# Altium PCB LimePSB-RPCM_1v3.PcbDoc (part 8 of 10) (continued)
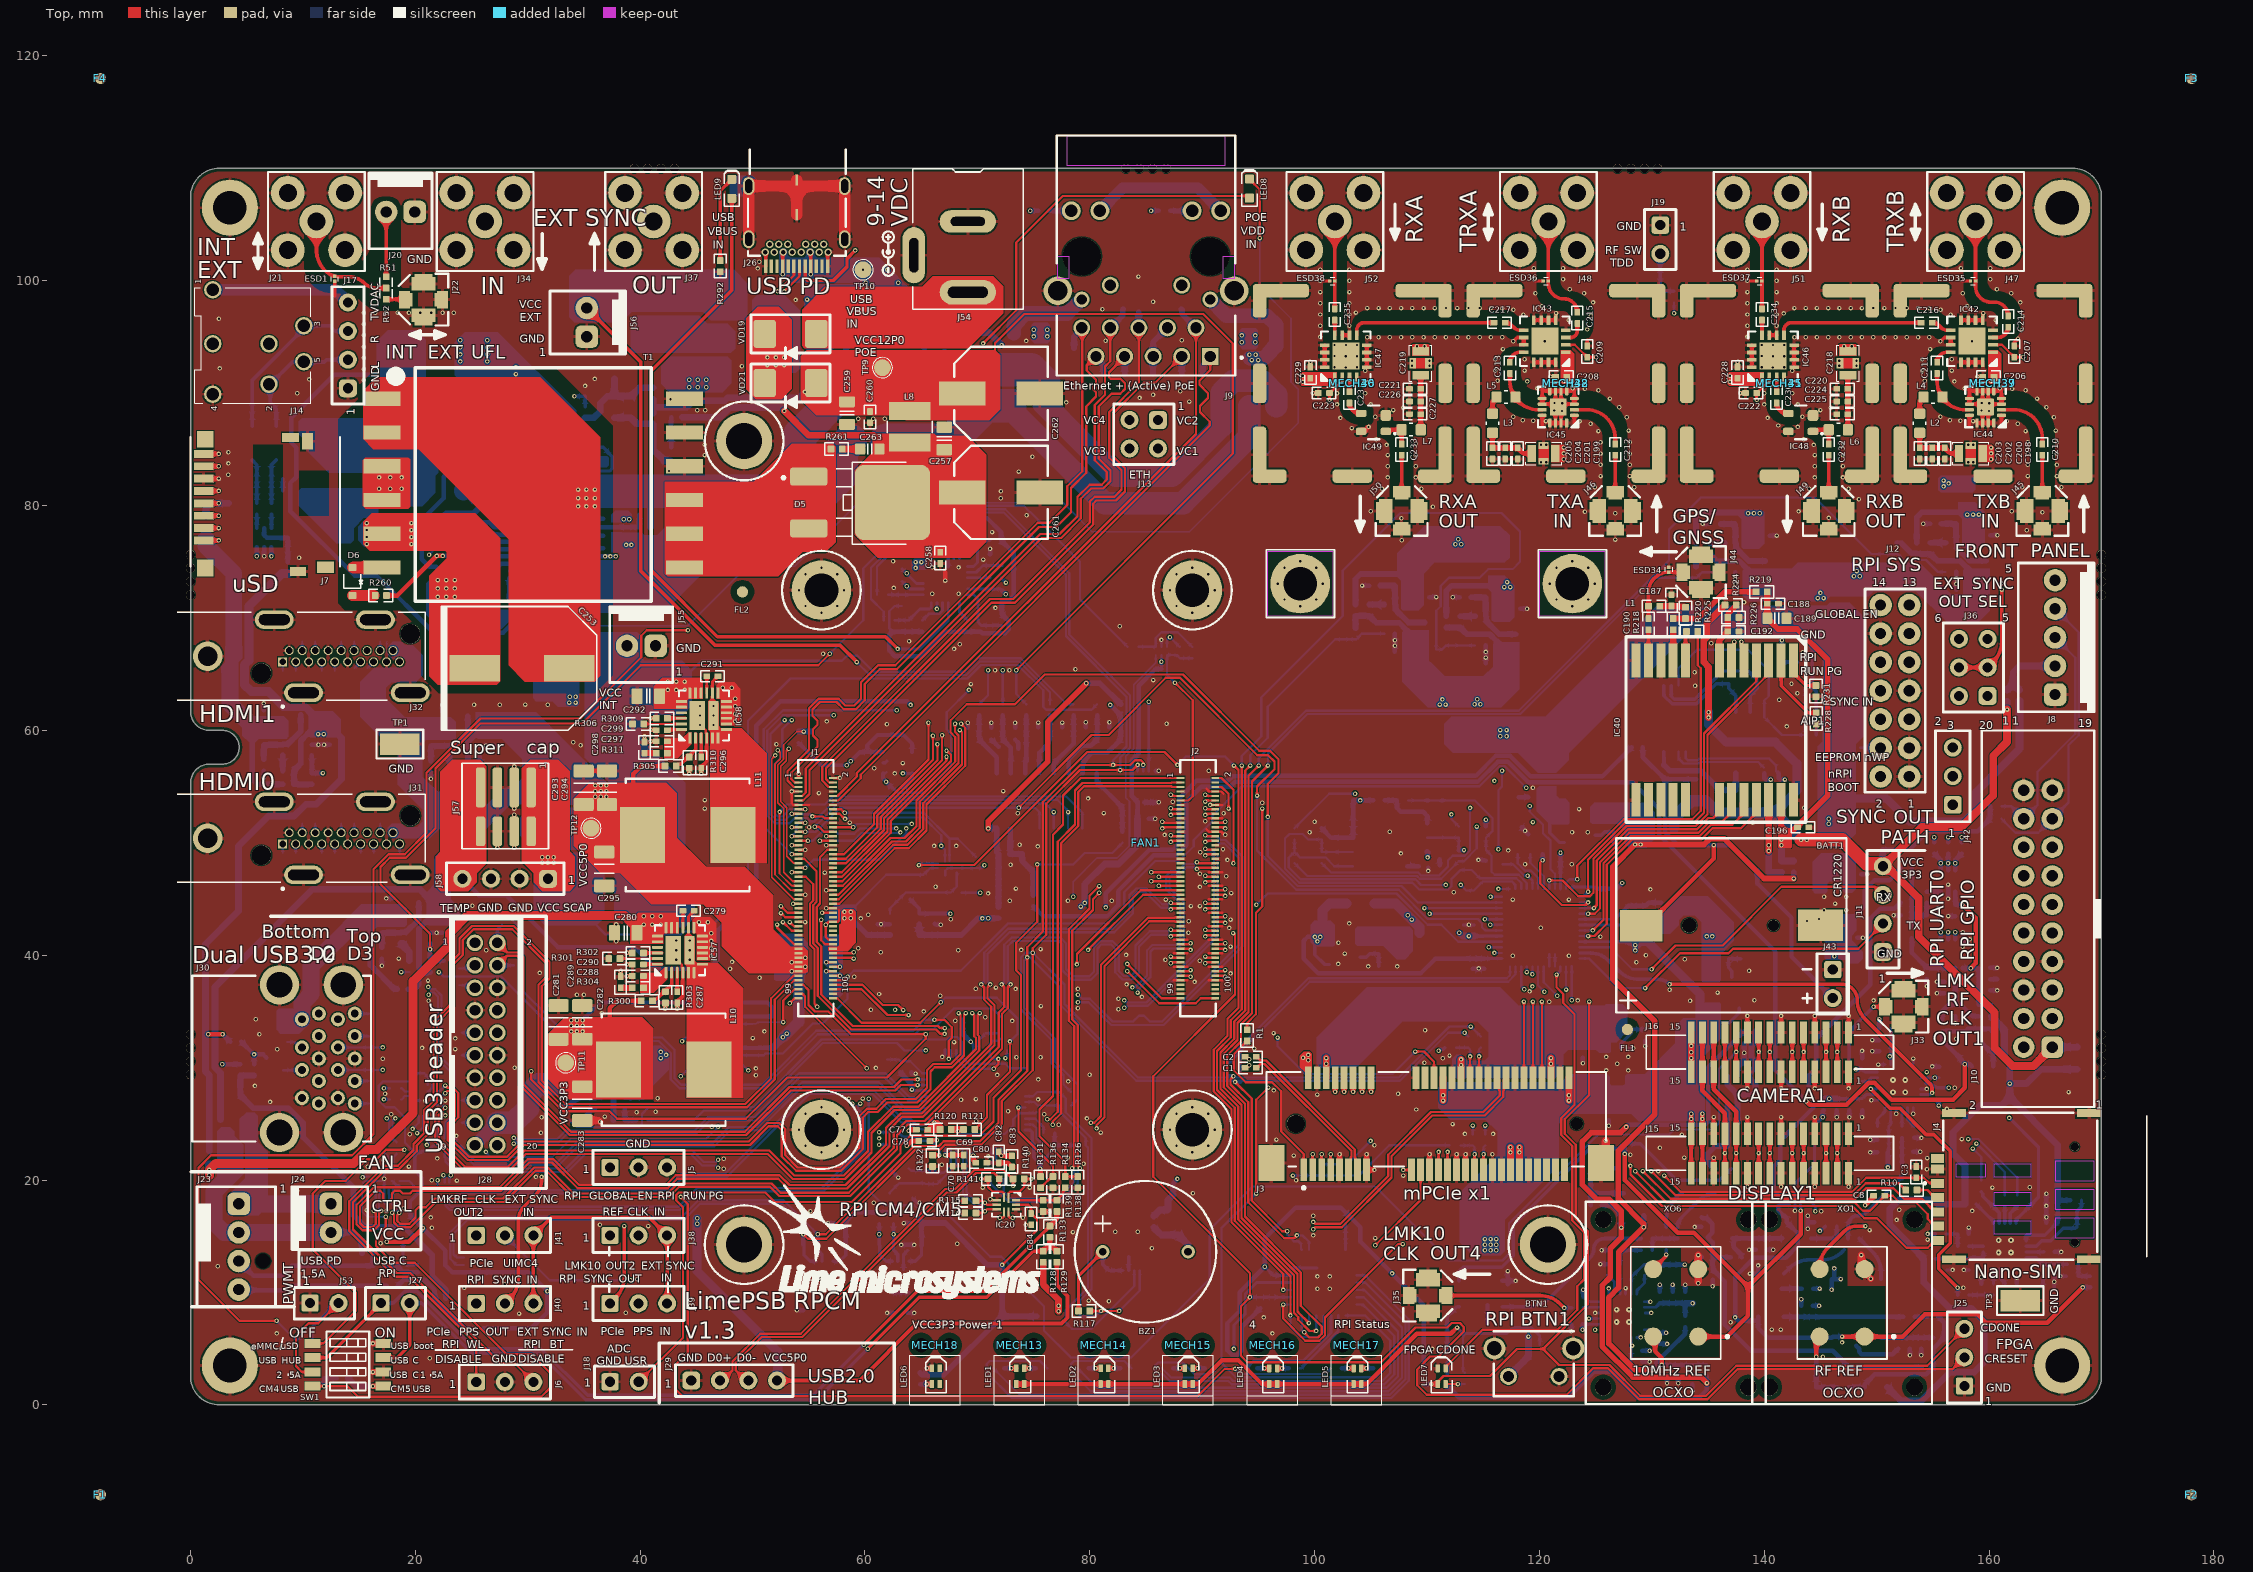
[diagram p0: Top view]
## Nets (pads, with @x,y where several pads share a name; then routed paths per layer and width w, separated by ;. In a path a pad name is that pad's centre, name@x,y a point inside that pad or via, vN(x,y) a via of type N, cw(c..) or ccw(c..) an arc to the next point about the centre after c; other vN are vias at no path point) (continued)
USB_CC2: C277.1 IC56.14 J26.B5 | length 55.4
  L3 w0.1: J26.B5@53.125,103.245 55.205,105.325 65.408,105.325 68.283,102.45 70.133,102.45 72.425,100.158 72.425,96.925 71.2,95.7 71.2,89.417 64.066,82.283 64.066,73.175 v1(63.714,72.823)
  Bottom w0.25: C277.1@63.291,73.245 63.341,73.245 63.466,73.12 63.466,73.07 v1(63.714,72.823) 63.961,72.575 IC56.14@65.184,72.575
USB_HUB_CFG_SEL0: IC19.41 IC21.6 IC22.6 R132.1 R137.2 R143.1 | length 33.7
  Bottom w0.2: IC19.41@74.25,26.95 75.05,26.95 75.375,26.625 R143.1@77.35,26.625 77.35,26.05 79.65,23.75 R132.1@79.65,23.1 79.85,22.9 79.85,10.425 77.835,8.41 IC21.6@77.835,7.875 77.835,7.34 78.4,6.775 80.15,6.775 83.95,10.575 IC22.6@83.95,11.95
USB_HUB_CFG_SEL1: IC19.42 R131.1 R136.1 | length 9.5
  Top w0.2: v1(73.65,26.45) 73.65,24.325 76.731,21.244 R136.1@76.731,20.35 ; R131.1@75.625,19.306 76.625,20.306 R136.1@76.725,20.306
  Bottom w0.2: v1(73.65,26.45) IC19.42@74.25,26.45
USB_HUB_CFG_SEL2: IC19.13 R130.1 R135.2 | length 4
  Bottom w0.2: R135.2@61.975,30.725 R130.1@62.925,30.725 ; R130.1@63,30.725 63.15,30.575 64.025,30.575 65.1,29.5 65.45,29.5 IC19.13@65.5,29.45
USB_HUB_D0_N: IC19.58 IC20.4 J29.3 R115.1 R141.1 | length 45.2
  Top w0.2: J29.3@49.63,1.938 48.509,3.059 48.509,3.735 50.799,6.025 54.399,6.025 67.274,18.9 68.149,18.9 69.874,20.625 71.481,20.625 71.95,20.156 R141.1@71.95,20.106 v1(71.95,19.475) ; R115.1@69.875,18.15 70.475,18.15 70.65,17.975 v1(70.675,17.975) 70.85,17.8 IC20.4@71.725,17.8
  L3 w0.1: v1(70.675,17.975) 70.7,17.95 71.717,17.95 72.575,18.808 72.575,19.275 72.375,19.475 v1(71.95,19.475)
  Bottom w0.2: IC19.58@69.125,22.825 69.075,22.775 69.075,22.395 69.025,22.345 69.025,18.924 70.199,17.75 70.45,17.75 v1(70.675,17.975)
USB_HUB_D0_P: IC19.59 IC20.5 J29.2 R114.1 R140.1 | length 47.7
  Top w0.2: J29.2@47.088,1.938 48.209,3.059 48.209,3.859 50.675,6.325 54.275,6.325 67.15,19.2 68.025,19.2 69.75,20.925 72.3,20.925 73.175,20.05 v1(73.175,19.475) ; R114.1@69.877,17.063 70.477,17.063 70.64,17.225 v1(70.675,17.225) 70.85,17.4 IC20.5@71.725,17.4
  L3 w0.1: v1(70.675,17.225) 71.275,17.225 73.175,19.125 v1(73.175,19.475)
  Bottom w0.2: IC19.59@68.625,22.825 68.675,22.775 68.675,22.395 68.725,22.345 68.725,18.8 70.075,17.45 70.45,17.45 v1(70.675,17.225)
USB_HUB_D1_N: IC19.1 R119.2 | length 2.7
  Bottom w0.2: R119.2@62.975,23.15 63.375,23.55 65.02,23.55 65.07,23.5 65.45,23.5 IC19.1@65.5,23.45
USB_HUB_D1_P: IC19.2 R116.2 | length 2.7
  Bottom w0.2: R116.2@62.975,24.25 63.375,23.85 65.02,23.85 65.07,23.9 65.45,23.9 IC19.2@65.5,23.95
USB_HUB_D2_N: IC19.3 IC25.5 | length 46.8
  Bottom w0.2: IC25.5@23.675,18.75 24.075,18.75 24.125,18.8 42.349,18.8 43.824,20.275 47.699,20.275 55.074,27.65 60.701,27.65 63.226,25.125 63.925,25.125 64.5,24.55 65.02,24.55 65.07,24.5 65.45,24.5 IC19.3@65.5,24.45
USB_HUB_D2_P: IC19.4 IC25.4 | length 46.8
  Bottom w0.2: IC25.4@23.675,19.15 24.075,19.15 24.125,19.1 42.225,19.1 43.7,20.575 47.575,20.575 54.95,27.95 60.825,27.95 63.35,25.425 64.049,25.425 64.624,24.85 65.02,24.85 65.07,24.9 65.45,24.9 IC19.4@65.5,24.95
USB_HUB_D3_N: IC19.6 IC26.5 | length 46.3
  Bottom w0.2: IC26.5@23.675,22.675 23.901,22.675 24.113,22.463 24.538,22.038 25.226,21.35 32.799,21.35 34.449,23 46.6,23 48.025,24.425 50.55,24.425 54.525,28.4 61.126,28.4 63.476,26.05 65.02,26.05 65.07,26 65.45,26 IC19.6@65.5,25.95
USB_HUB_D3_P: IC19.7 IC26.4 | length 46.4
  Bottom w0.2: IC26.4@23.675,23.075 24.043,23.075 24.26,22.858 24.26,22.74 25.35,21.65 32.675,21.65 34.325,23.3 46.476,23.3 47.901,24.725 50.426,24.725 54.401,28.7 61.25,28.7 63.6,26.35 65.02,26.35 65.07,26.4 65.45,26.4 IC19.7@65.5,26.45
USB_HUB_D4_N: IC19.8 J30.2 VD14.A | length 73.9
  L3 w0.1: J30.2@9.91,31.8 9.91,31.56 9.25,30.9 8.842,30.9 8.5,30.558 8.5,26.892 11.025,24.367 11.025,22.667 14.792,18.9 24.65,18.9 28.425,22.675 28.425,22.925 v1(28.75,23.25)
  Bottom w0.2: VD14.A@8.575,32.275 9.268,32.275 9.743,31.8 J30.2@9.91,31.8 ; v1(28.75,23.25) 28.85,23.35 32.749,23.35 33.474,24.075 44.95,24.075 46.175,25.3 50.349,25.3 54.249,29.2 61.701,29.2 63.851,27.05 65.02,27.05 65.07,27 65.45,27 IC19.8@65.5,26.95
USB_HUB_D4_P: IC19.9 J30.3 VD15.A | length 74
  L3 w0.1: J30.3@9.91,29.8 9.91,30.04 9.25,30.7 8.925,30.7 8.7,30.475 8.7,30.225 8.875,30.05 8.875,29.775 8.7,29.6 8.7,29.35 8.9,29.15 8.9,28.925 8.7,28.725 8.7,26.975 11.225,24.45 11.225,22.75 14.875,19.1 24.567,19.1 28.225,22.758 28.225,23.008 28.4,23.183 28.4,23.4 v1(28.75,23.75)
  Bottom w0.2: VD15.A@8.25,29.775 9.885,29.775 J30.3@9.91,29.8 ; v1(28.75,23.75) 28.85,23.65 32.625,23.65 33.35,24.375 44.826,24.375 46.051,25.6 50.225,25.6 54.125,29.5 61.825,29.5 63.975,27.35 65.02,27.35 65.07,27.4 65.45,27.4 IC19.9@65.5,27.45
USB_HUB_D5_N: IC19.11 J28.4 VD10.A | length 55.1
  Top w0.2: J28.4@27.3,39.1 28.15,39.95 29.05,39.95 29.325,39.675 29.325,28.4 33.725,24 49.425,24 53.4,27.975 57.5,27.975 62.7,27.975 63.175,28.45 v1(64.675,28.45)
  Bottom w0.2: J28.4@27.3,39.1 28.75,39.1 VD10.A@28.775,39.075 ; v1(64.675,28.45) IC19.11@65.5,28.45
USB_HUB_D5_P: IC19.12 J28.2 VD11.A | length 55.5
  Top w0.2: J28.2@27.3,41.1 28.15,40.25 29.174,40.25 29.625,39.799 29.625,28.524 33.849,24.3 49.301,24.3 53.276,28.275 62.575,28.275 63.25,28.95 v1(64.675,28.95)
  Bottom w0.2: J28.2@27.3,41.1 27.3,42.325 27.45,42.475 27.5,42.475 27.7,42.675 VD11.A@27.7,42.725 ; v1(64.675,28.95) IC19.12@65.5,28.95
USB_HUB_D6_N: IC19.53 R127.2 | length 1.7
  Bottom w0.2: IC19.53@71.625,22.825 71.675,22.775 71.675,21.7 R127.2@72.075,21.3
USB_HUB_D6_P: IC19.54 R125.2 | length 1.8
  Bottom w0.2: R125.2@70.975,21.3 71.175,21.5 71.233,21.5 71.35,21.617 71.35,22.266 71.175,22.441 71.175,22.775 IC19.54@71.125,22.825
USB_HUB_I2C_SDA: IC19.40 IC21.5 IC22.5 R117.1 R142.1 | length 33.8
  Top w0.2: R117.1@80,8.35 v1(81,8.35) v1(82.625,8.35)
  Bottom w0.2: IC19.40@74.25,27.45 74.95,27.45 75.325,27.825 77.275,27.825 77.85,27.25 77.85,26.025 80.15,23.725 80.15,10.301 79.105,9.256 IC21.5@79.105,7.875 80.525,7.875 v1(81,8.35) ; v1(82.625,8.35) 84.45,10.175 IC22.5@84.45,11.95
USB_HUB_OCS_24: IC19.21 IC19.27 R158.2 | length 73.6
  Top w0.2: v1(71.45,29.9) 71.875,30.325 v1(71.875,30.775)
  L3 w0.2: v1(18.75,38.5) v1(22.1,38.5)
  Bottom w0.2: v1(18.75,38.5) R158.2@19.463,38.5 ; v1(22.1,38.5) 22.5,38.1 27.628,38.1 33.353,32.375 41.658,32.375 42.725,31.308 42.725,28.951 43.501,28.175 50.999,28.175 55.799,32.975 64.449,32.975 64.899,33.425 66.074,33.425 67.899,35.25 71.35,35.25 72.2,34.4 72.2,32.695 71.905,32.4 71.4,32.4 71.125,32.125 IC19.27@71.125,31.575 71.125,31.025 71.375,30.775 v1(71.875,30.775) ; IC19.21@68.125,31.575 68.125,30.8 69.025,29.9 v1(71.45,29.9)
USB_HUB_OCS_35: IC19.22 IC19.35 R149.2 | length 46.6
  Bottom w0.2: R149.2@33.7,25.375 34.35,24.725 39.913,24.725 40.166,24.979 40.166,25.866 40.775,26.475 50.101,26.475 56.126,32.5 67.35,32.5 67.575,32.725 68.2,32.725 68.625,32.3 IC19.22@68.625,31.575 68.625,30.925 69.2,30.35 72.475,30.35 72.875,29.95 IC19.35@74.25,29.95
USB_HUB_PRTPWR_24: IC19.20 R154.2 | length 64.5
  Top w0.2: v1(66.175,34.25) 67.075,34.25 67.725,33.6 67.725,32.641 67.45,32.366 v1(67.45,30.775)
  Bottom w0.2: R154.2@22.538,40.5 22.538,41.412 24.901,43.775 27.95,43.775 29.625,42.1 29.625,36.749 33.699,32.675 41.974,32.675 43.05,31.599 43.05,29.05 43.625,28.475 50.875,28.475 55.675,33.275 64.325,33.275 65.3,34.25 v1(66.175,34.25) ; v1(67.45,30.775) 67.625,30.95 IC19.20@67.625,31.575
USB_HUB_PRTPWR_35: IC19.30 R146.2 | length 36.5
  L3 w0.1: v1(65.4,31.525) 66.6,30.325 71.975,30.325 v1(72.5,30.85)
  Bottom w0.2: R146.2@40.666,25.329 44.779,25.329 45.625,26.175 50.225,26.175 56.25,32.2 62.85,32.2 63.525,31.525 v1(65.4,31.525) ; v1(72.5,30.85) 72.625,30.975 IC19.30@72.625,31.575
USB_HUB_RST: C68.2 IC19.43 R120.1 R121.1 | length 9.3
  Top w0.6: R120.1@67.675,24.5 R121.1@68.775,24.5
  Bottom w0.2: v1(68.25,24.35) 68.5,24.1 72.425,24.1 73.2,24.875 73.2,25.4 73.75,25.95 IC19.43@74.25,25.95 75.15,25.95 C68.2@75.25,26.05
USB_PD_3V3: C274.2 C275.1 C276.1 IC56.23 R282.1 R283.1 R284.1 R285.1 R293.2 R294.2 R295.2 R298.1 | length 38.3
  Bottom w0.2: 62.455,68.795 62.166,69.084 62.166,70.591 62.645,71.07 R295.2@63.291,71.07
  Bottom w0.25: C275.1@67.766,78.845 C274.2@67.766,77.845 C276.1@67.766,76.845 67.766,76.17 67.9,76.036 IC56.23@67.9,75.291
  Bottom w0.4: R298.1@65.116,68.795 R293.2@63.891,68.795 62.455,68.795 62.175,68.515 62.175,67.075 62.65,66.6 65.1,66.6 67.295,68.795 R294.2@69.116,68.795 70.305,68.795 70.45,68.65 72.46,68.65 72.8,68.99 72.8,69.711 R285.1@72.166,70.345 R284.1@72.166,71.47 72.72,71.47 73.216,71.966 R283.1@73.216,74.67 73.216,75.795 R282.1@72.116,76.895 72.116,77.634 70.855,78.895 67.866,78.895 67.816,78.845 C275.1@67.766,78.845
USB_PD_HPI_INT: IC56.7 R294.1 | length 1.9
  Bottom w0.25: IC56.7@68.4,71.359 68.4,70.511 R294.1@69.116,69.795
USB_PD_HPI_SDA: IC56.12 R293.1 R296.1 | length 4.1
  Bottom w0.25: R296.1@62.666,69.795 R293.1@63.891,69.795 64.891,70.795 65.741,70.795 65.9,70.954 IC56.12@65.9,71.359
USB_PD_HPI_SLC: IC56.13 R295.1 R297.1 | length 3.1
  Bottom w0.25: R297.1@62.071,72.075 IC56.13@65.184,72.075
USB_PD_I: J53.2 R287.1 R291.1 SW1.3 | length 13.7
  Top w0.2: SW1.3@10.85,2.93 9.895,2.93 9.375,3.45 9.375,6.125 10.5,7.25 11.37,7.25 J53.2@13.17,9.05
  Bottom w0.2: R287.1@10.825,5.875 R291.1@10.825,6.975 12.9,9.05 J53.2@13.17,9.05
USB_VBUS_IN: C270.2 C271.2 IC55.7 IC55.8 IC56.18 J26.A4 J26.A9 J26.B4 J26.B9 R128.2 R279.2 TP10.1 VD9.K | length 283.4
  Top w0.3: v1(52.675,100.575) J26.A9@52.675,101.295 J26.B4@52.675,102.495 ; v1(55.175,100.575) J26.A4@55.175,101.295 J26.B9@55.175,102.495
  Top w0.6: R128.2@75.85,12.675 75.85,10.725 77.225,9.35 v1(77.225,8.825) v1(77.225,8.325)
  L4 w2: 33.975,62.7 33.975,62.075 32.85,60.95 14.675,60.95 14.375,61.25 9.175,61.25 7.7,59.775 6.15,59.775 ; 52.062,100.725 53.454,100.725 ; 64.75,75.075 64.75,95.5 59.675,100.575 v1(55.175,100.575) v1(52.675,100.575) 51.912,100.575 51.112,99.775 37.3,99.775 37.111,99.964 9.689,99.964 4.875,95.15 4.875,76.85 4.1,76.075 4.1,61.825 6.15,59.775 ; 77.2,9.05 76.525,9.725 46.813,9.725 43.988,12.55 35.75,12.55 31.325,16.975 24.025,16.975 22.9,15.85 22.9,15.25 20.4,12.75 10.925,12.75 7.275,16.4 7.275,19.55 4.2,22.625 4.2,55.375 6.15,57.325 6.15,59.775
  other v1: 33.7,62.475 34.25,62.475 33.725,63 34.25,63 64.5,74.45 64.5,74.975 65.025,74.975 60.075,99.825 62.95,99.825 59.825,100.975 62,100.975
VBUS_FET_EN: IC56.3 R280.2 | length 2
  Bottom w0.25: IC56.3@69.116,73.575 71.111,73.575 R280.2@71.116,73.57
VBUS_MAX: IC56.2 R283.2 R288.2 | length 3.3
  Bottom w0.25: IC56.2@69.116,74.075 69.9,74.075 70.495,74.67 R288.2@71.116,74.67 R283.2@72.216,74.67
VBUS_MIN: IC56.1 R282.2 R286.1 | length 4.1
  Bottom w0.25: IC56.1@69.116,74.575 69.646,74.575 70.016,74.945 R286.1@70.016,76.895 R282.2@71.116,76.895
VCC1P2: C64.2 C65.1 C66.2 C67.1 C305.2 IC17.5 IC17.30 IC60.1 pad.2@130.825,43.325 R112.2 R315.1 TP14.1 | length 40.3
  L3 w0.8: v1(113.725,41.7) 113.2,41.7 112.875,42.025 112.875,43.125 113.8,44.05 121.5,44.05 122.575,42.975 130.175,42.975 132.05,41.1 134.3,41.1 v1(134.875,41.675) v1(135.375,41.675)
  Bottom w0.2: R315.1@135.825,39.675 C305.2@134.725,39.675 134.725,41.1 135.608,41.1 136.033,41.525 TP14.1@136.375,41.525
  Bottom w0.25: C65.1@114.225,41.7 IC17.5@116.675,41.7 ; IC17.30@123.575,42.7 127.3,42.7 127.725,43.125 127.775,43.125 127.9,43.25 C67.1@127.9,43.3
  Bottom w0.4: C67.1@127.9,43.3 C66.2@128.9,43.3
  Bottom w0.6: v1(112.875,42) 113.175,41.7 C64.2@113.225,41.7 v1(113.725,41.7) C65.1@114.225,41.7
VCC1P2_FPGA: C62.2 C63.1 IC17.29 pad.2@130.825,44.325 R112.1 | length 7.9
  Bottom w0.25: IC17.29@123.575,43.2 126.7,43.2 C63.1@127.9,44.4
  Bottom w0.4: C63.1@127.9,44.4 C62.2@128.9,44.4 128.91,44.41 129.46,44.41 129.725,44.675 R112.1@130.825,44.675
VCC1P5: C309.2 IC63.1 J3.6 J3.28 J3.48 R322.2 TP16.1 | length 5.1
  Top w0.6: J3.6@101.025,29.1 v1(101.025,30.35) v1(101.025,30.85) ; J3.28@113.025,29.1 v1(113.025,30.225) v1(113.025,30.725) ; J3.48@121.025,29.1 v1(121.025,30.35) v1(121.025,30.85)
VCC1P8_RPI: C6.2 J1.88 J1.90 | length 1.3
  Top w0.2: v1(56.555,38.575) J1.88@57.165,38.575 ; J1.90@57.165,38.175 v1(57.775,38.175)
  Bottom w0.35: v1(57.775,38.175) C6.2@57.775,38.236
VCC2P5: C307.2 IC61.1 R316.2 R321.2 TP15.1 | length 4.4
  Bottom w0.2: R316.2@105.7,41.125 C307.2@105.7,42.225 107.125,42.225 107.125,41.342 107.55,40.917 TP15.1@107.55,40.575
VCC2P5_FPGA: C53.2 C54.1 D2.C IC17.24 R321.1 | length 42.7
  L4 w0.5: v1(108.65,43.175) v1(108.275,43.55) 108.275,44.275 112.575,48.575 112.575,50.625 114.75,52.8 114.75,55.4 115.4,56.05 116.228,56.05 118.203,54.075 119.625,54.075 120.175,53.525 120.175,52.825 122.946,50.054 123.746,50.054 v1(127.375,46.425)
  Bottom w0.25: IC17.24@122.875,45.9 122.875,46.075 125.075,46.075 125.2,45.95 C54.1@125.2,45.9
  Bottom w0.4: C54.1@125.2,45.9 C53.2@126.2,45.9 126.85,45.9 v1(127.375,46.425)
  Bottom w0.9: D2.C@105.35,44.6 107.225,44.6 v1(108.65,43.175) 109.325,42.5 R321.1@109.325,42
VCC2P5_VREF: C300.2 IC62.1 R47.1 R184.2 R312.1 R313.1 | length 125.4
  Top w0.4: v1(143.75,27) 144.05,26.7 147.325,26.7 149.288,28.663 149.81,28.663 151.322,27.15 156.8,27.15 157.846,28.196 v1(157.846,30.295)
  Bottom w0.4: R47.1@74.976,44.36 75.886,43.45 81.525,43.45 82.513,44.438 82.513,45.713 85.7,48.9 87.707,48.9 88.6,49.793 88.6,53.675 89.925,55 92.5,55 92.925,55.425 98.175,55.425 98.2,55.45 114.532,55.45 116.307,57.225 117.2,57.225 119.025,55.4 128.275,55.4 130.675,53 130.675,50.65 141,40.325 141,29.75 v1(143.75,27) ; IC62.1@158.475,30.125 158.305,30.295 v1(157.846,30.295) 157.483,30.657 C300.2@157.483,30.795 155.849,32.429 R184.2@155.849,33.239 157.914,33.239 158.125,33.45 R313.1@159.1,33.45 160.05,33.45 R312.1@160.375,33.125
VCC3P0_BATT: BATT1.POSITIVE D1.A2 J43.2 R80.2 R230.2 | length 45
  Top w0.4: BATT1.POSITIVE@129.05,42.625 129.524,42.625 135.5,48.601 v1(135.5,49.8)
  Bottom w0.4: R80.2@129.2,58.5 129.2,57.625 131.175,55.65 ; D1.A2@133.958,55.638 D1.A2@133.758,55.638 133.746,55.65 131.175,55.65 ; R230.2@139.4,47.375 139.4,46.375 142.425,43.35 142.425,39.855 J43.2@146.1,36.18 ; R230.2@139.425,47.375 137,49.8 v1(135.5,49.8) 132.325,49.8 131.175,50.95 131.175,55.65
VCC3P3: BZ1.1 C9.1 C11.1 C16.1 C18.2 C19.1 C29.1 C36.1 C43.1 C44.1 C47.1 C55.2 C56.1 C57.2 C58.1 C59.2 C60.1 C61.1 C71.1 C76.2 C77.1 C78.1 C79.1 C80.1 C81.1 C82.1 C83.2 C84.1 C85.1 C101.1 C102.1 C107.1 C108.1 C185.1 C186.1 C191.1 C193.1 C194.1 C281.2 C282.2 C283.2 C304.2 C306.2 C308.2 D1.A1 D2.A FR2.2 FR3.1 FR19.1 FR21.1 IC1.5 IC2.1 IC2.5 IC4.1 IC7.8 IC8.8 IC9.8 IC10.3 IC11.8 IC12.8 IC13.5 IC17.1 IC17.22 IC17.33 IC18.3 IC18.7 IC18.8 IC19.5 IC19.10 IC19.24 IC19.46 IC19.52 IC19.57 IC19.64 IC20.9 IC21.8 IC22.8 IC25.9 IC26.9 IC28.17 IC29.17 IC38.1 IC38.5 IC38.6 IC39.9 IC41.1 IC41.6 IC60.5 IC60.8 IC61.5 IC61.8 IC63.5 IC63.8 J1.78 J3.2 J3.24 J3.39 J3.41 J3.52 J9.15 J9.17 J10.1 J11.4 J15.14 J15.15 J16.15 L10.2 LED1.1 LED1.2 LED2.1 LED2.2 LED3.1 LED3.2 LED4.1 LED4.2 LED5.1 LED5.2 R6.2 R14.1 R15.1 R16.2 R19.2 R20.1 R21.2 R23.2 R25.1 R27.1 R40.2 R42.2 R43.2 R65.2 R66.1 R69.2 R77.1 R83.1 R95.2 R101.2 R102.1 R110.2 R113.2 R117.2 R118.1 R120.2 R123.2 R130.2 R131.2 R132.2 R150.2 R224.1 R300.1 R326.2 SW1.5 TP11.1 | length 995.1
  Top w0.2: 35.925,28.3 35.925,32.075 ; v1(72.2,12.45) 75.3,15.55 75.3,16.5 74.975,16.825 74.925,16.825 74.775,16.975 C84.1@74.775,17.025 74.775,17.55 74.525,17.8 IC20.9@73.425,17.8
  Top w0.3: C78.1@65.775,23.55 v1(66.4,23.55) ; R120.2@66.675,24.5 R120.2@66.699,24.524 ; R117.2@79,8.35 79,11.475 BZ1.1@81.15,13.625
  Top w0.35: J15.15@133.5,20.625 J15.15@133.5,24.125 ; J15.14@134.5,20.625 J15.14@134.5,24.125
  Top w0.4: v1(1.575,32.975) v1(2.85,32.975) ; v1(17.45,14.5) 19.425,14.5 v1(20.65,15.725) ; 37.275,34.075 37.275,35.275 37.948,35.948 40.084,35.948 R300.1@40.091,35.948 R300.1@40.098,35.948 ; C77.1@65.575,24.475 66.65,24.475 R120.2@66.675,24.5 ; v1(69.625,22.15) 69.625,21.75 69.725,21.65 69.725,21.6 69.775,21.55 C80.1@69.825,21.55 ; C82.1@71.875,22.525 71.925,22.475 71.925,22.35 v1(72.125,22.15) C83.2@73.075,22.15 ; LED1.1@73.46,1.853 LED1.2@74.16,1.853 ; 73.875,1.85 80.96,1.85 LED2.1@80.96,1.853 LED3.1@88.46,1.853 89.628,1.853 91.725,3.95 93.225,3.95 95.322,1.853 103.175,1.853 ; v1(75.575,21) 75.575,20.356 R131.2@75.625,20.306 ; LED5.1@103.46,1.853 104.16,1.853 LED5.2@104.16,1.85 ; LED5.2@104.308,1.85 104.625,1.85 109.1,6.325 112.125,6.325 v1(112.675,6.875) ; J15.15@133.5,24.125 v1(133.5,25.437) v1(133.5,25.9) ; J15.14@134.5,24.125 v1(134.5,25.437) v1(134.5,25.9)
  Top w0.5: v1(16.225,1.65) SW1.5@17.14,1.65
  Top w0.6: J3.2@99.425,29.1 v1(99.425,31.125) ; v1(111.425,27.075) J3.24@111.425,29.1 ; J3.39@117.425,20.9 v1(117.425,22.925) ; J3.41@118.225,20.9 v1(118.225,22.925) ; v1(122.625,27.075) J3.52@122.625,29.1 ; J16.15@133.5,29.1 J16.15@133.5,29.625 v1(133.5,31.375) J16.15@133.5,33.125 ; v1(135.05,61.15) v1(135.05,61.625) 135.05,65.65 134.625,66.075 134.625,68.025 134.9,68.3 134.9,69.55 R224.1@136.5,71.15
  Top w0.7: C281.2@33.05,32.525 33.063,32.512 35.162,32.512 35.175,32.5 35.5,32.5 35.925,32.075 36.025,31.975 36.425,31.975 38.075,30.325 L10.2@38.075,29.825 ; J11.4@150.495,47.97 J11.4@150.605,47.97 ; J11.4@150.55,47.914 J11.4@150.605,47.97 ; v1(161.6,61.85) 161.6,58.964 160.375,57.739 160.375,54.225 157.55,51.4 154.036,51.4 J11.4@150.605,47.97 ; J10.1@165.62,31.82 163.95,30.15 162.1,30.15 160.5,31.75 160.5,34.9 153.75,41.65 153.75,45.075 150.855,47.97 J11.4@150.605,47.97
  Top w1: J11.4@150.339,48.125 150.495,47.97 J11.4@150.55,47.914
  Top w1.2: v1(143.275,50.275) v1(143.775,50.275) 146.934,50.275 149.084,48.125 J11.4@150.339,48.125
  L3 w0.5: v1(16.225,1.65) 21.4,1.65 26.775,7.025 32.675,7.025 ; v1(86.375,66.106) 87.494,67.225 89.85,67.225 93.3,70.675 93.3,78.575 95.85,81.125 95.85,94.125 96.35,94.625 96.35,103.5 93.625,106.225 J9.15@91.64,106.225
  L3 w0.6: 112.075,9.2 112.075,7.475 v1(112.675,6.875)
  L3 w1: v1(11.85,59.675) v1(11.35,59.675) 9.2,59.675 5.375,55.85 5.375,55.075 4.475,54.175 4.475,47.35 6.45,45.375 10.75,45.375 13.15,42.975 23.05,42.975 23.4,42.625 28.05,42.625 29.925,40.75 29.925,37.725 33.55,34.1
  L3 w1.5: 58.55,43.7 59.5,44.65 66.9,44.65 67.15,44.9 69.25,44.9 70.375,43.775 78.675,43.775 v1@79.212,44.312
  L3 w4.5: 33.825,7.7 35.95,5.575 55.3,5.575 60.45,10.725 72.2,10.725 75.325,10.725 76.513,11.913 83.888,11.913 85.525,10.275 ; 33.875,7.7 33.875,10.1 v1(33.875,33.225) ; 111.725,10.275 114.9,13.45
  L4 w0.4: 100.25,42.025 100.25,49.975 v1(104.05,53.775) 104.975,53.775 v1(110.05,48.7)
  L4 w0.5: v1(58.175,43.85) 57.35,44.675 57.35,53.25 58.375,54.275 v1(58.375,56.9) v1(58.725,57.25) ; v1(121.875,49.125) 122.925,49.125 128.525,43.525 v1(128.525,40.9) v1(128.525,40.425)
  L4 w1: 64.15,27.775 64.15,27.475 66.175,25.45 ; v1(69.4,32.3) 69.4,30.1 67.45,28.15 67.45,26.725 66.175,25.45 ; BZ1.1@81.15,13.625 81.15,15.425 v1(75.575,21) 75.325,21.25 73.025,21.25 v1(72.125,22.15) 71.25,23.025 70.5,23.025 v1(69.625,22.15) 68.475,22.15 67.075,23.55 v1(66.4,23.55) 66.175,23.775 v1(66.175,25.1) 66.175,25.45 ; J11.4@150.435,47.799 J11.4@150.55,47.914
  L4 w1.1: v1(133.5,30.85) v1(133.5,31.925) 138.45,36.875 141.45,36.875 148.225,43.65 148.225,47.502 148.869,48.146 150.373,48.146 J11.4@150.55,47.97
  L4 w1.5: 34.075,33.725 44.5,33.725 52.425,41.65 56.935,41.65 58.45,43.165 58.45,43.55
  Bottom w0.2: IC29.17@18.6,19.925 19.425,19.925 20,19.35 20.375,19.35 C108.1@20.575,19.15 IC25.9@21.975,19.15 ; 19.95,22.45 19.075,23.325 19.075,25.55 18.15,26.475 17.334,26.475 16.75,27.059 16.75,28.4 17.125,28.775 19.525,28.775 20.25,29.5 C107.1@20.75,29.5 20.8,29.5 20.95,29.35 20.95,29.3 21.1,29.15 IC28.17@21.1,28.452 ; C102.1@20.575,22.575 21.1,22.575 21.6,23.075 IC26.9@21.975,23.075 ; 59.05,44.3 61.9,47.15 C194.1@65.2,47.15 65.2,47.2 65.35,47.35 65.4,47.35 65.8,47.75 IC39.9@66.473,47.75 ; IC19.5@65.5,25.45 65.825,25.45 v1(66.175,25.1) ; IC19.64@66.125,22.825 66.125,23.275 v1(66.4,23.55) ; v1(69.4,32.3) 69.625,32.075 IC19.24@69.625,31.575 ; v1(69.625,22.15) IC19.57@69.625,22.825 ; v1(72.125,22.15) IC19.52@72.125,22.825 ; C9.1@86.375,65.5 v1(86.375,66.106) IC1.5@86.375,66.712 ; IC61.8@101.3,41.125 C306.2@101.3,42.525 ; 113.2,6.35 113.2,3 R326.2@113.35,2.85 ; C304.2@134.425,35.275 IC60.8@135.825,35.275
  Bottom w0.25: v1(64.175,28.05) 64.275,27.95 IC19.10@65.5,27.95 ; v1@95.571,12.275 v1(95.575,12.275) 96.15,11.7 96.2,11.7 96.325,11.575 C47.1@96.325,11.525 ; v1(112.675,6.875) 113.2,6.35 117.119,6.35 117.644,6.875 119.3,6.875 120.025,6.15 R27.1@120.025,5.355 ; C60.1@115.125,39.7 IC17.1@116.675,39.7 ; IC17.22@121.875,45.9 C58.1@121.875,47.6 ; IC17.33@123.575,41.2 C56.1@127.9,41.2
  Bottom w0.3: C101.1@19.55,16.825 19.55,18.125 C108.1@20.425,19 ; C108.1@20.575,19.15 20.575,20.225 19.95,20.85 19.95,22.45 20.475,22.45 20.575,22.55 C102.1@20.575,22.575 ; IC12.8@57.175,12.775 57.725,12.775 58.273,13.323 IC11.8@58.273,14.168 ; IC9.8@63.925,12.775 64.475,12.775 65.023,13.323 IC8.8@65.023,14.168 ; IC19.46@74.25,24.45 74.674,24.45 74.875,24.249 74.875,23.375 75.025,23.225 75.025,22.025 C79.1@75.425,21.625 ; C79.1@75.575,21.475 76.875,22.775 R123.2@76.875,23.075 ; R118.1@76.875,24.175 R123.2@76.875,23.075 ; R132.2@78.65,23.1 76.9,23.1 R123.2@76.875,23.075 ; BZ1.1@81.15,13.625 81.15,12.475 81.525,12.1 81.575,12.1 81.725,11.95 IC22.8@82.95,11.95 ; C47.1@96.325,11.525 IC13.5@97.875,11.525 ; 100.025,41.1 100.025,40.05 100.9,39.175 IC61.5@101.3,39.175 ; 135.85,34 136.9,34 137.775,34.875 IC60.5@137.775,35.275
  Bottom w0.35: v1(34.875,34.225) 36.425,35.775 51.325,35.775 51.8,35.3 C11.1@51.8,34.55 IC2.5@48.06,34.551 ; R15.1@54.1,58.9 56.1,56.9 v1(58.375,56.9) 59.55,58.075 C193.1@60.213,58.075 ; IC41.6@61.6,58.075 C193.1@60.213,58.075 ; IC41.1@64.2,58.075 64.2,58.825 63.425,59.6 C191.1@62.85,59.6 61.125,59.6 60.213,58.688 C193.1@60.213,58.075
  Bottom w0.4: 1.25,32.975 1.325,32.975 v1(1.575,32.975) ; v1(2.85,32.975) R83.1@3.525,32.3 ; v1(17.45,14.5) R66.1@17.875,14.5 ; C101.1@19.55,16.825 v1(20.65,15.725) 22.675,13.7 22.675,12.425 23.3,11.8 IC10.3@24.3,11.8 C44.1@26.05,11.8 30.05,11.8 v1(31.75,10.1) 31.75,8.25 30.3,6.8 R65.2@26.075,6.8 ; IC11.8@58.273,14.168 58.292,14.187 58.292,14.955 58.273,14.974 58.273,16.327 59.06,17.115 R42.2@61.27,17.115 R43.2@62.54,17.115 64.235,17.115 65.023,16.327 65.023,14.974 65.042,14.955 65.042,14.187 IC8.8@65.023,14.168 ; R130.2@63.15,29.575 63.25,29.475 63.25,29.45 64.025,28.675 64.075,28.675 64.125,28.625 C71.1@64.125,28.575 64.175,28.525 v1(64.175,28.05) ; C76.2@68.675,34.25 68.675,33.025 v1(69.4,32.3) ; v1(75.575,21) C79.1@75.575,21.475 ; C29.1@84.25,52.149 IC7.8@84.25,53.6 84.25,53.638 83.75,54.138 83.75,57.351 R40.2@84.25,57.851 84.35,57.951 84.35,63.97 85.843,65.463 86.338,65.463 C9.1@86.375,65.5 ; R102.1@95.15,8.575 93.525,6.95 93.525,4.85 93.15,4.475 92.618,4.475 92.25,4.843 92.25,7.275 93.325,8.35 93.325,10.029 95.571,12.275 95.571,14.796 98.325,17.55 102.325,17.55 R69.2@102.75,17.125 104.075,15.8 104.075,14.5 109.7,8.875 R101.2@109.7,2.85 ; v1(100.025,41.625) 99.375,41.625 99.025,41.275 99.025,39.675 100.325,38.375 109.425,38.375 110.75,39.7 C59.2@114.1,39.7 C60.1@115.125,39.7 ; R110.2@100.635,51.29 101.465,50.46 IC18.7@103.125,50.46 103.425,50.46 C61.1@103.425,53.775 v1(104.05,53.775) R113.2@105.225,53.775 ; C58.1@121.875,47.6 C57.2@121.875,48.6 v1(121.875,49.125) ; C19.1@150.55,49.375 152.925,49.375 154.6,51.05 159,51.05 R16.2@160.1,52.15 R19.2@160.1,53.25
  Bottom w0.5: R21.2@9.2,55.213 R25.1@9.2,56.438 9.81,57.048 9.81,59.074 10.4,59.664 10.4,59.673 C16.1@12.385,59.673 ; R21.2@9.213,55.2 R23.2@10.8,55.2 ; IC4.1@10.8,59.675 C18.2@10.8,61.373 ; R150.2@14.012,2.374 14.736,1.65 v1(16.225,1.65) ; v1(58.725,43.3) 60.225,41.8 C185.1@60.838,41.8 IC38.1@62.225,41.8 ; IC38.5@64.825,42.75 IC38.6@64.825,41.8 C186.1@66.212,41.8 68.575,41.8 70.06,43.285 v1(70.968,43.285) FR3.1@71.876,43.285 ; R95.2@64.91,2.853 65.088,2.675 67,2.675 72.2,7.875 ; C36.1@65.025,16.175 67.15,16.175 70.875,12.45 v1(72.2,12.45) 72.2,7.875 ; IC21.8@75.295,7.875 72.2,7.875 ; IC18.3@110.025,49.19 110.05,49.165 v1(110.05,48.7) ; J11.4@150.55,47.914 C19.1@150.55,49.375
  Bottom w0.6: R77.1@1.675,22.578 1.675,29.3 1.325,29.65 1.325,32.975 1.325,40.975 4.275,43.925 4.275,49.7 6.95,52.375 9.2,52.375 10.25,53.425 11.175,53.425 13.425,55.675 13.425,59.333 12.854,59.904 ; v1(79.2,44.325) 79.55,44.675 79.55,46.325 81.338,48.112 82.562,48.112 84.25,49.8 C29.1@84.25,52.149 ; C56.1@127.9,41.2 C55.2@128.9,41.2 ; v1(161.6,61.85) R20.1@161.6,62.6 ; J10.1@165.62,31.82 167.82,31.82 FR19.1@167.85,31.85
  Bottom w0.65: 8.253,62.073 10.253,62.073 C18.2@10.951,61.375
  Bottom w0.8: 8.253,62.148 6.951,63.45 5.425,63.45 4.8,64.075 4.8,65.825 5.2,66.225 5.2,71.025 8.127,73.952 FR2.2@8.65,73.952 ; C55.2@128.9,41.2 C55.2@129.15,41.2 129.625,41.2 134.3,36.525 134.3,34.925 ; v1(135.05,61.625) v1(135.05,61.15) 135.05,60.525 136.625,58.95 141,58.95 142.9,57.05 142.9,54.65 140.9,52.65
  Bottom w0.9: 100.7,43.05 100.7,43.975 101.325,44.6 D2.A@102.85,44.6
  Bottom w1: J9.17@80.9,106.225 82.925,108.25 89.615,108.25 J9.15@91.64,106.225 ; FR21.1@131.975,51.375 131.975,52.25 133.463,53.738 D1.A1@133.758,53.738 134.762,53.738 135.85,52.65 140.9,52.65 v1(143.275,50.275) 143.525,50.275
  other v1: 106.888,11.688 115.15,13.75 115.65,13.75 116.15,13.75 115.15,14.25 115.65,14.25 116.15,14.25 115.15,14.75 115.65,14.75 116.15,14.75 117.425,22.45 118.225,22.45 111.425,27.55 122.625,27.55 99.425,30.65 98.975,30.875 34.375,33.225 34.875,33.225 33.875,33.725 34.375,33.725 34.875,33.725 33.875,34.225 34.375,34.225 100.25,41.225 100.5,41.625 70.45,43.275 58.175,43.3 58.725,43.85 79.55,44.65
VCC3P3_CLK: C134.2 C144.1 C145.1 C147.2 C302.2 C303.2 FR4.1 FR5.1 FR6.1 FR7.1 FR8.2 FR19.2 IC32.5 IC34.16 IC34.17 IC59.1 R183.2 R187.2 R194.1 R312.2 R314.2 TP13.1 | length 130.5
  L3 w0.4: v1(145.199,25.589) 145.199,27.874 147.975,30.65 147.975,33.301 149.174,34.501
  L3 w1: 146.3,40.175 147,40.175 148.419,38.756 148.419,35.256 149.174,34.501 151.999,34.501 155.025,31.475 158.956,31.475 v1(161.85,28.581)
  Bottom w0.25: IC32.5@142.736,18.548 C147.2@142.736,19.675 142.736,19.725 142.861,19.85 142.911,19.85 144.475,21.414 144.475,24.865 v1(145.199,25.589)
  Bottom w0.3: IC34.17@163.3,14.6 IC34.16@163.3,15.1 164.024,15.1 164.95,15.1 166.05,16.2 C144.1@166.1,16.2
  Bottom w0.4: v1(145.199,25.589) 145.199,26.042 cw(c145.458,26.042) FR6.1@145.275,26.225 ; 148.062,43.488 148.95,44.375 148.95,45.8 149.8,46.65 151.115,46.65 R194.1@152.14,47.675 ; FR5.1@150.25,33.5 v1(150.251,34.3) ; C144.1@166.1,16.2 C145.1@166.1,17.2 C134.2@166.1,18.2 R183.2@167.225,18.2
  Bottom w0.5: 152.1,0.425 154.05,0.425
  Bottom w0.6: FR4.1@150.95,1.575 152.1,0.425 ; 154.05,0.425 156.525,2.9 158.675,2.9 159.575,3.8 159.575,7.425 158.4,8.6 156.475,8.6 154.2,10.875 FR7.1@154.2,13 151.175,16.025 151.175,17.425 151.975,18.225 155.1,18.225 155.485,17.84 R187.2@157.864,17.84 157.864,21.311 156.8,22.375 156.8,24.25 159.175,26.625 161.1,26.625 161.85,27.375 ; FR8.2@160.199,34.574 161.375,33.398 161.375,30.838 161.85,30.363 v1(161.85,28.581) ; C134.2@166.1,18.2 166.1,23.125 161.85,27.375 ; FR19.2@167.85,29.85 164.6,29.85 163.331,28.581 v1(161.85,28.581) ; 161.85,27.375 v1(161.85,28.581)
  other v1: 146.25,39.913
VCC3P3_CLK2: C311.2 C312.2 FR9.1 FR10.1 FR11.1 FR12.1 FR21.2 IC64.1 R323.2 TP17.1 | length 82.9
  Top w0.5: v1(130.069,3.12) 128.504,3.12 126.175,5.449 126.175,9.55 127.05,10.425 127.05,13.575 v1(129.274,15.8) 129.274,16.101 127.025,18.35 127.025,22.6 130.275,25.85 130.275,34.125 126.525,37.875 126.525,47.862 v1(128.513,49.85) v1(129,49.85) 134.65,49.85 135.15,50.35 136.45,50.35 139.975,46.825 v1(142.625,46.825)
  Bottom w0.2: R323.2@126.6,51.975 C311.2@126.6,53.075 C312.2@128.025,53.075 128.025,52.192 128.45,51.767 TP17.1@128.45,51.425
  Bottom w0.4: FR10.1@129.19,2.8 129.75,2.8 130.389,3.439 130.389,3.758 131.555,4.924 131.557,4.924 132.96,6.327 132.96,6.91 FR11.1@132.975,6.925
  Bottom w0.5: v1(129.274,15.8) FR9.1@129.274,16.799 ; v1(142.625,46.825) FR12.1@142.625,47.375

## Text inside footprints (layer, text, board x,y; h text height)
LED1: ASM TOP "C" at 74.085,3.228 h0.55 r90; ASM TOP "A" at 74.085,1.428 h0.55 r90
LED2: ASM TOP "C" at 81.585,3.228 h0.55 r90; ASM TOP "A" at 81.585,1.428 h0.55 r90
LED3: ASM TOP "C" at 89.085,3.228 h0.55 r90; ASM TOP "A" at 89.085,1.428 h0.55 r90
LED4: ASM TOP "C" at 96.585,3.225 h0.55 r90; ASM TOP "A" at 96.585,1.425 h0.55 r90
LED5: ASM TOP "C" at 104.085,3.225 h0.55 r90; ASM TOP "A" at 104.085,1.425 h0.55 r90
LED6: ASM TOP "A" at 66.585,1.428 h0.55 r90; ASM TOP "C" at 66.585,3.228 h0.55 r90
LED7: ASM TOP "C" at 111.585,3.225 h0.55 r90; ASM TOP "A" at 111.585,1.425 h0.55 r90
LED8: ASM TOP "A" at 94.5,107 h0.55 r90; ASM TOP "C" at 94.5,108.8 h0.55 r90
LED9: ASM TOP "A" at 48.45,106.975 h0.55 r90; ASM TOP "C" at 48.45,108.775 h0.55 r90
MECH35: ASM TOP "RF shield frame" at 132.475,81.075 h0.55
MECH36: ASM TOP "RF shield frame" at 94.4,81.025 h0.55
MECH37: ASM TOP "RF shield frame" at 151.475,81.025 h0.55
MECH38: ASM TOP "RF shield frame" at 113.375,81 h0.55
MECH39: ASM TOP "RF shield cover" at 168.35,87.375 h0.55 r90
MECH40: ASM TOP "RF shield cover" at 95.9,87.4 h0.55 r90
MECH41: ASM TOP "RF shield cover" at 133.925,87.275 h0.55 r90
MECH42: ASM TOP "RF shield cover" at 130.35,87.375 h0.55 r90
SW1: ASM TOP "8" at 16.575,5.425 h0.55; ASM TOP "1" at 10.65,5.45 h0.55
VD1: ASM BOT "C" at 89.795,89 h0.55 r270; ASM BOT "A" at 89.795,91.475 h0.55 r270
VD2: ASM BOT "A" at 88.45,97.2 h0.55; ASM BOT "C" at 85.975,97.2 h0.55
VD3: ASM BOT "C" at 87.925,89 h0.55 r270; ASM BOT "A" at 87.925,91.475 h0.55 r270
VD4: ASM BOT "A" at 84.45,97.025 h0.55; ASM BOT "C" at 84.475,99.35 h0.55
VD5: ASM BOT "A" at 82.85,91.475 h0.55 r270; ASM BOT "C" at 82.85,89 h0.55 r270
VD6: ASM BOT "A" at 83.275,97.2 h0.55; ASM BOT "C" at 80.8,97.2 h0.55
VD7: ASM BOT "A" at 80.975,91.475 h0.55 r270; ASM BOT "C" at 80.975,89 h0.55 r270
VD8: ASM BOT "A" at 78.35,93.825 h0.55 r270; ASM BOT "C" at 78.35,91.35 h0.55 r270
VD9: ASM BOT "C" at 32.125,62.775 h0.55 r270; ASM BOT "A" at 32.125,58.875 h0.55 r270
VD10: ASM BOT "A" at 28.975,38.825 h0.55; ASM BOT "C" at 31.45,38.825 h0.55
VD11: ASM BOT "A" at 27.725,42.45 h0.55; ASM BOT "C" at 25.4,42.45 h0.55
VD12: ASM BOT "C" at 23.675,34.675 h0.55 r270; ASM BOT "A" at 23.675,37.075 h0.55 r270
VD13: ASM BOT "C" at 23.625,41.15 h0.55 r270; ASM BOT "A" at 23.625,38.675 h0.55 r270
VD14: ASM BOT "A" at 8.7,32.025 h0.55; ASM BOT "C" at 6.225,32.025 h0.55
VD15: ASM BOT "A" at 8.1,29.5 h0.55 r270; ASM BOT "C" at 8.025,27.075 h0.55 r270
VD16: ASM BOT "A" at 16.075,31.55 h0.55; ASM BOT "C" at 18.55,31.55 h0.55
VD17: ASM BOT "A" at 16.075,29.55 h0.55; ASM BOT "C" at 18.55,29.55 h0.55
VD18: ASM BOT "C" at 63.075,89.425 h0.55 r270; ASM BOT "A" at 63.075,85.425 h0.55 r270
VD19: ASM TOP "C" at 51.175,94.775 h0.55; ASM TOP "A" at 55.075,94.775 h0.55
VD20: ASM BOT "C" at 51.6,94.35 h0.55; ASM BOT "A" at 55.9,94.35 h0.55
VD21: ASM TOP "A" at 55.075,90.4 h0.55; ASM TOP "C" at 51.175,90.4 h0.55
VD22: ASM BOT "A" at 47.225,102.5 h0.55; ASM BOT "C" at 47.175,98.025 h0.55
VD23: ASM BOT "A" at 35.425,45.85 h0.55 r270; ASM BOT "C" at 35.425,49.75 h0.55 r270
XO1: TopOverlay "OCXO" at 145.225,0.65 h0.9
XO6: TopOverlay "OCXO" at 130.075,0.675 h0.9